# KiCad board PSEC5_Board.kicad_pcb (continued)
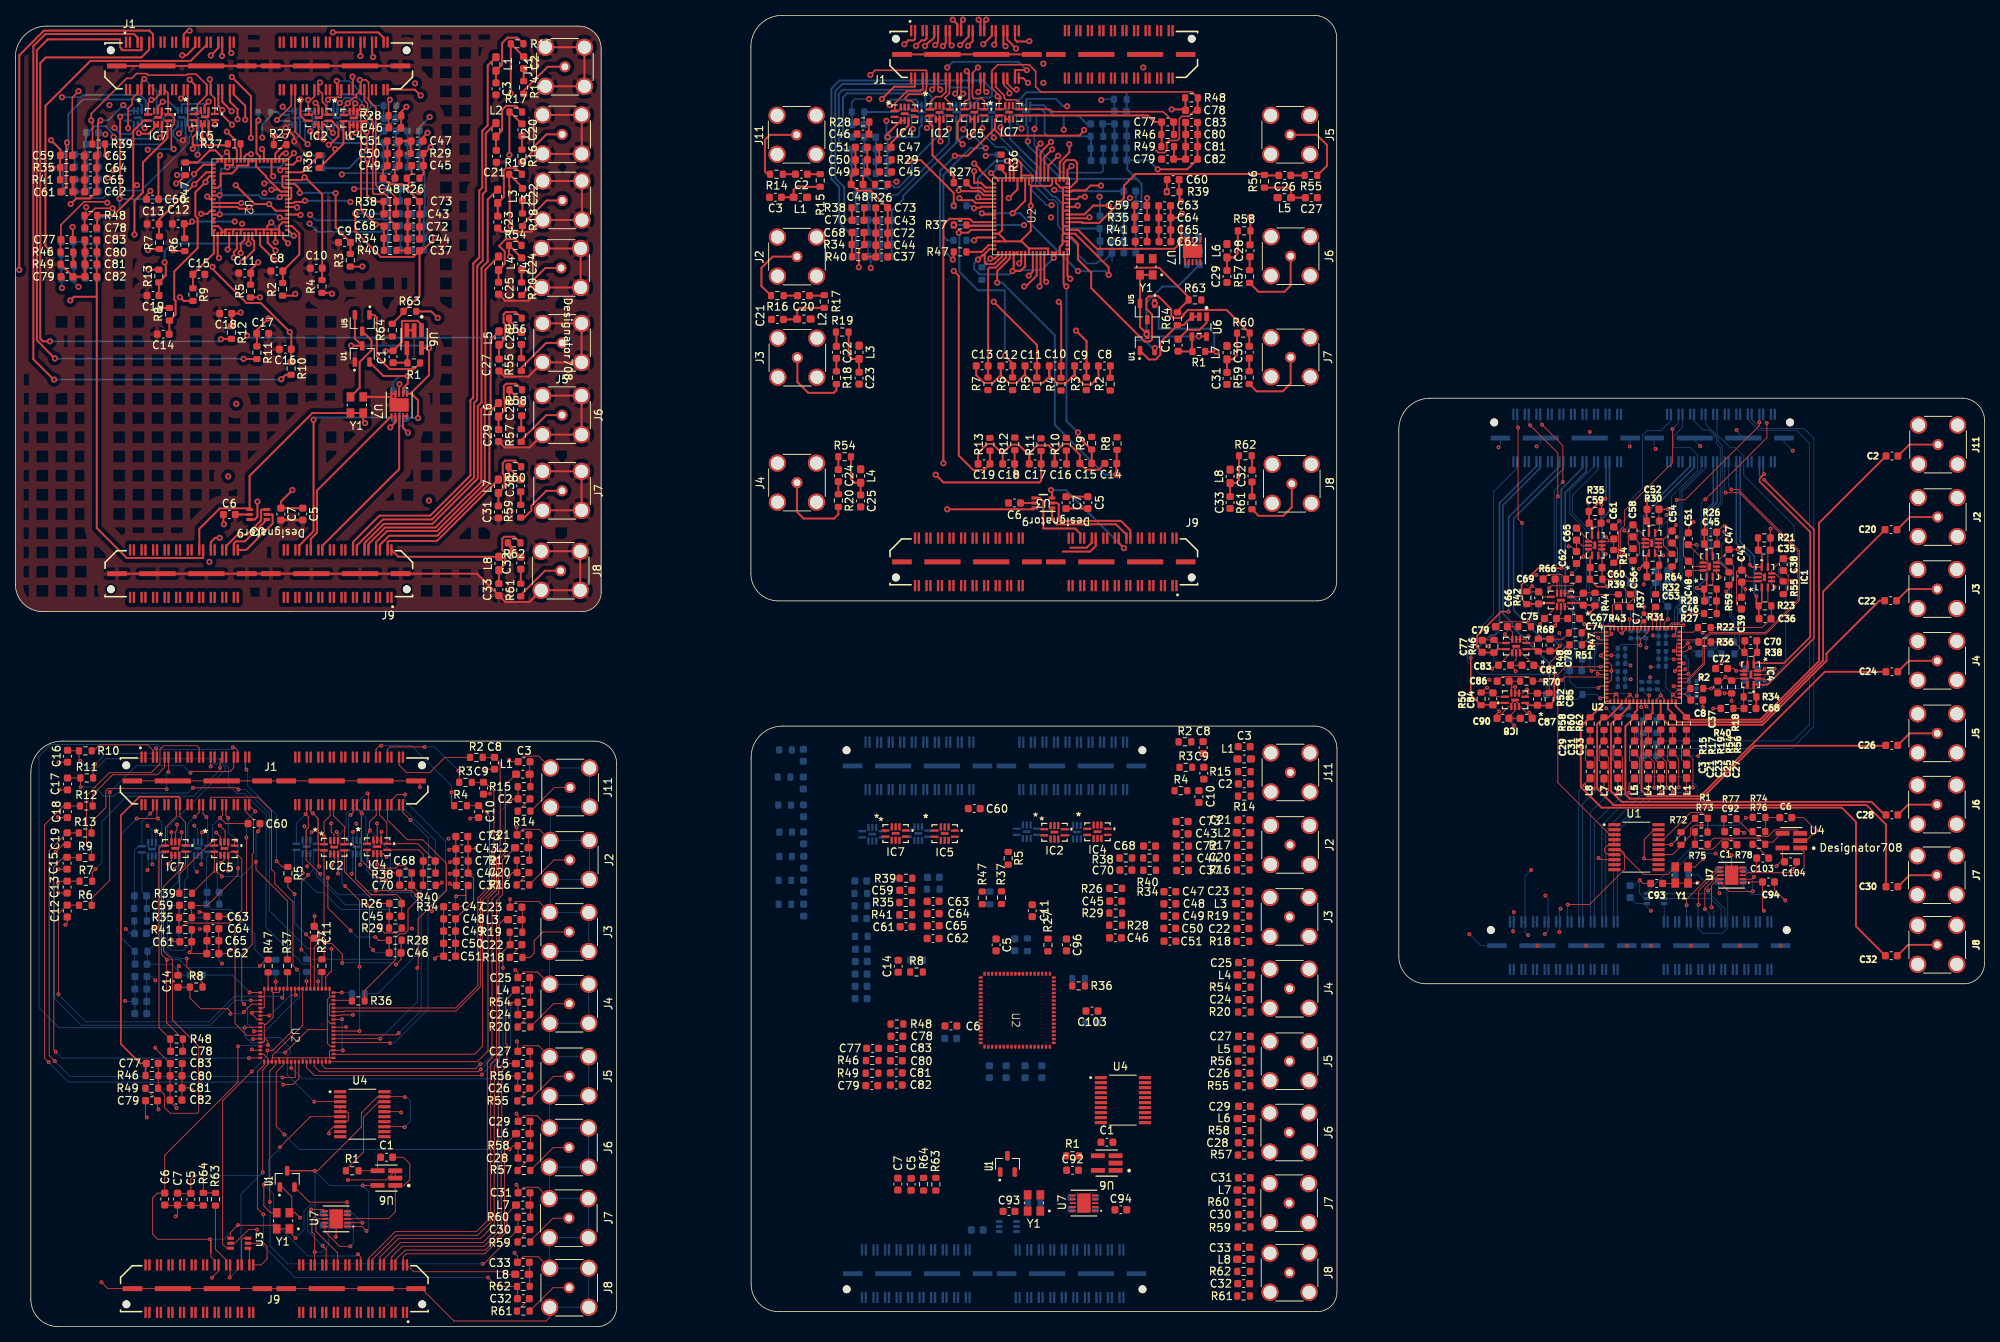
[diagram p0: board, top side]
## Routing (per net, layer and track width the routed paths; a pad name or vN(x,y) marks a point on that pad's centre or on a via; arc(x,y) is an arc through that point) (continued)
  In1.Cu w0.25: v2(43.4,154.77) 43.4,157.22 42.2,158.41 v2(42.2,159.26) ; v2(7.19,146.1) 6.71,145.62 6.71,142.8 7.14,142.37 v2(7.14,133.55) ; v2(24.31,154.47) 24.31,158.6 v2(25.14,159.42)
  In2.Cu w0.25: v2(25.14,159.42) 34.11,159.42 v2(34.77,158.77) ; v2(44.22,159.2) 44.45,159.42 47.84,159.42 49.84,157.42 v2(53.89,157.42) ; v2(11.07,156.97) 11.31,156.73 13.2,156.73 13.91,156.02 13.91,155.67 14.41,155.17 15.92,155.17 v2(16.06,155.31) ; v2(19.16,159.41) 18.35,158.6 14.41,158.6 v2(14.04,158.97) ; v2(24.31,154.47) 23.22,154.47 22.42,155.27 v2(21.29,155.27) ; v2(35.11,154.92) 35.64,154.92 36.99,156.28 38.66,156.28 39.14,155.8 v2(39.14,154.93) 39.47,155.25 40.36,155.25 40.97,154.63 43.26,154.63 v2(43.4,154.77)
  Bottom w0.1: v1(17.82,60.17) 17.77,60.22 IC8#2.4 IC8#2.3 ; 209.79,100.49 209.26,100.49 v1(209.24,100.51) ; 209.79,100.49 209.79,102.16 C58.2 ; 209.79,100.49 209.79,100.31 C56.2 ; 224.51,93.37 223.86,94.02 223.86,98.22 224.08,98.45 C41.2 224.56,99.72 v1(224.51,99.77) ; IC3#5.4 IC3#5.3 38.36,60.31 v1(37.95,59.9) ; IC3#5.9 37.86,64.84 v1(37.6,65.1) ; v1(197.16,59.42) 196.37,58.63 196.37,52.65 ; C74.2 C75.2 200.29,92 v1(200.29,91.22) ; C41#3.2 58.88,63.74 C42.2 59.32,59.02 59.63,58.72 59.63,55.45 C55#5.2 57.27,53.05 C58#2.2 ; v1(202.04,101.54) 202.39,101.54 C62#3.2 C65#5.2 ; C44#5.2 227.06,84.1 227.11,84.15 227.11,84.26 227.35,84.5 227.46,84.5 228.59,85.62 v1(228.84,85.62) 228.41,85.2 227.04,85.2 C43#5.2 ; v1(196.79,50.95) 196.37,51.36 196.37,52.65 ; 196.37,52.65 195.87,52.65 ; C90#2.2 17.08,45.54 C89#4.2 17.71,45.56 v1(18.2,45.07) ; v1(223.84,85.35) 223.54,85.65 C72#4.2 ; IC1#2.4 IC1#2.3 44.88,60.16 v1(44.85,60.12) ; v1(44.35,65.47) 44.42,65.4 44.42,63.31 IC1#2.9 ; IC8#2.9 17.77,64.62 v1(17.2,65.2) ; v1(59.95,62.3) 59.83,62.18 C43#4.2 ; v1(26.87,47.25) 26.49,47.63 C71#2.2 26.46,48.59 C74#2.2 26.48,53.4 ; IC6#3.4 IC6#3.3 24.24,60.24 v1(24.17,60.17) ; C88#2.2 C90.2 194.98,78.47 v1(194.98,78.2) ; C80#5.2 C83#4.2 194.47,85.97 v1(195.15,85.3) ; C48#4.2 216.99,100.26 216.99,102.69 C51#5.2 217.61,104.02 v1(218.29,104.7) ; IC6#3.9 23.74,64.73 v1(23.27,65.2)
  Bottom w0.25: v2(34.77,158.77) 35.34,158.2 IC3#3.3 IC3#3.4 ; IC3#3.9 36.53,155.69 36.24,155.4 35.59,155.4 v2(35.11,154.92) ; IC6#5.9 21.64,155.62 v2(21.29,155.27) ; C58#5.2 53.12,144.81 C55#2.2 53.24,144.97 53.24,150.27 C41#4.2 52.56,150.95 C42#3.2 52.56,156.09 v2(53.89,157.42) ; IC8#3.4 IC8#3.3 14.79,158.22 v2(14.04,158.97) 12.04,156.97 v2(11.07,156.97) ; IC8#3.9 15.92,155.45 v2(16.06,155.31) ; C74#3.2 10.81,152.55 C71#3.2 ; IC1#4.9 41.89,158.94 v2(42.2,159.26) 42.87,159.92 43.52,159.92 43.95,159.5 43.95,159.47 v2(44.22,159.2) ; v2(19.16,159.41) 20,159.41 IC6#5.3 IC6#5.4 21.64,159.03 21.73,159.12 24.84,159.12 v2(25.14,159.42) ; IC1#4.4 IC1#4.3 42.39,155.78 v2(43.4,154.77)
VDD50: length 0.5
  Bottom w0.1: 197.37,52.65 197.87,52.65
(no net): length 430.8
  Top w0.1: 220.64,57.15 v1(220.64,54.57) ; 220.64,57.15 220.64,57.43 221.46,58.25 U7#5.9 ; 220.64,57.15 220.24,56.75 v1(220.19,56.75) ; IC4#3.5 47.8,61.57 v1(48.27,61.1) ; C103#2.2 226.26,62.77 R78.1 ; v1(195.09,83.26) 195.05,83.22 194.58,83.22 ; U7#3.6 40.04,15.25 v1(38.46,15.25) ; 227.99,65.92 R74.1 ; R74.1 227.64,64.45 R76.2 ; R74.1 227.66,66.25 C6.1 ; 207.99,63.37 U1#2.5 207.22,62.72 206.69,62.2 206.69,61.87 207.14,61.42 U1#2.7 ; R14#3.1 C61#5.1 207.57,102.17 207.19,102.17 ; 194.58,83.22 IC8.5 ; 194.58,83.22 194.58,83.72 C86.1 R70.1 ; R68.1 C79#5.1 194.71,90.46 IC7#2.5 194.42,89.45 v1(193.75,90.12) ; C92.2 222.24,64.52 R77.1 ; R1.2 43.29,20.58 43.29,20.72 45.3,22.72 45.3,27.27 47.3,29.27 U4#3.18 ; v1(199.49,96.12) 199.79,96.42 200.54,96.42 ; 221.44,84.02 221.91,84.02 v1(222.44,84.55) 222.91,84.07 R18#2.1 223.36,84.07 223.64,84.35 IC4#2.5 ; C1#5.2 223.31,63.35 222,63.35 220.8,62.15 219.09,62.15 R75.2 R73.1 ; v1(44.55,9.42) 44.93,9.04 J9.18 ; IC7#5.5 21.3,60.18 v1(20.62,59.5) ; 214.33,102.46 214.37,102.42 214.37,101.68 R64#4.1 ; 214.33,102.46 214.41,102.46 C54.1 215.49,103.8 v1(216.01,104.32) ; 214.33,102.46 214.32,102.47 IC3.5 ; U7#5.6 221.51,59.75 217.39,55.62 v1(217.39,54.85) ; 58.6,56.1 58.6,57.12 C37#4.1 ; 58.6,56.1 57.42,56.1 v1(57.32,56) ; 58.6,56.1 58.6,55.26 57.99,54.65 C47#3.1 ; 223.99,101.14 C47#5.1 222.89,101.05 IC2#2.5 221.82,99.42 222.89,98.36 R59#3.1 ; R66.1 202.49,96.42 200.54,96.42 ; IC6.5 200.54,96.42 ; 200.54,96.42 200.54,97 C69.1 ; v1(17.1,27.22) 16.93,27.39 C79#2.1 ; C61.1 20.57,50.1 v1(20.35,50.32) ; v1(27.65,59.35) 27.69,59.39 IC5#2.5 ; R63#3.2 26.02,17.41 R64#2.1 24.44,20.93 v1(24.42,20.95) ; 207.19,102.17 207.19,102.46 v1(206.91,102.74) ; 207.19,102.17 IC5#3.5 ; U4#3.6 38.37,27.32 v1(34.42,23.37) ; U4#3.4 U4#3.5 43.1,27.97 43.29,27.78 43.29,26.82 43.14,26.67 U4#3.7 ; v1(219.34,65.25) 218.36,65.25 217.91,64.8 217.91,63.95 R72.2 216.66,62.52 215.56,61.42 U1#2.14 ; U4.3 231.71,64.65 228.82,64.65 227.96,63.8 226.59,63.8 R76.1 225.56,64.42 R77.2 ; 41.9,61.44 IC2#3.5 41.97,58.98 v1(41.97,58.97) ; Y1#3.3 33.2,14.82 32.32,15.7 v1(32.32,18.5) ; R55#5.1 228.91,98.02 IC1.5 228.44,98.42 C38.1 v1(230.96,99.95) ; J9.30 40.43,10.05 v1(39.96,10.52) ; 225.99,66.27 225.14,66.27 v1(225.09,66.22) ; v1(201.94,54.92) 204.73,54.92 209.29,59.48 209.29,61.59 208.81,62.07 U1#2.6 208.57,62.07 211.8,58.85 214.94,58.85 Y1#4.3 ; 213.73,63.37 214.37,63.37 217.92,66.92 219.36,66.92 R1#2.2 220.14,64.4 R73.2 ; U4.4 229.74,64.2 228.59,63.05 227.89,63.05 R78.2 226.81,63.57 220.91,63.57 R75.1
  Top w0.25: J9#2.30 38.42,102.52 39.24,103.34 39.24,108.81 U7#4.6 ; R64.1 50.48,131.96 R63.2 51.86,133.5 51.99,133.5 51.99,133.57 52.58,134.16 C37#3.1 ; v2(6.71,154.1) 6.63,154.02 6.63,148.41 C61#3.1 ; v2(53.61,155.37) 53.04,154.8 C47#2.1 ; v2(18.79,154.72) 19.05,154.98 IC7#3.5 ; 47.9,161.56 J1#3.78 ; C37#3.1 52.93,140.02 v2(54.61,141.7) ; C37#3.1 51.78,139.22 47.52,139.22 44.21,142.52 v2(44.21,144.85) ; IC4#4.5 44.49,155.59 v2(44.24,155.35) ; IC5#5.5 25.12,155.16 v2(25.21,155.07) ; v2(40.06,154.52) 39.93,154.66 IC2#4.5 40.21,156.45 v2(41.3,155.36)
  In1.Cu w0.25: v2(53.61,155.37) 54.74,154.25 54.74,141.82 v2(54.61,141.7)
  In2.Cu w0.25: v2(53.61,155.37) 52.96,154.72 44.86,154.72 v2(44.24,155.35) 44.09,155.49 41.43,155.49 v2(41.3,155.36) 39.93,156.73 34.88,156.73 34.15,156 30.91,156 29.71,154.8 25.49,154.8 v2(25.21,155.07) 23.71,156.57 20.64,156.57 v2(18.79,154.72) 18.16,154.1 v2(6.71,154.1)
  Bottom w0.1: v1(39.96,10.52) 38.01,12.47 38.01,14.92 38.34,15.25 v1(38.46,15.25) ; 220.87,52.65 220.87,54.34 v1(220.64,54.57) ; v1(23.62,59.2) 23.24,59.58 IC6#3.5 ; R69.2 194.1,90.47 v1(193.75,90.12) ; v1(220.19,56.75) 220.19,57.47 218.86,58.8 R65#2.2 ; R71.2 195.09,83.26 v1(195.09,83.26) ; v1(222.44,84.55) 222.76,84.55 R18#2.1 ; v1(216.01,104.32) 215.49,103.8 R63#5.2 ; C69#3.1 20.4,54.83 v1(20.15,54.57) ; C86#4.1 17.73,51.85 v1(17.95,51.85) ; R16#5.2 207.19,102.46 v1(206.91,102.74) ; v1(219.34,65.25) 224.11,65.25 v1(225.09,66.22) ; v1(199.49,96.12) 200.32,96.95 R67.2 ; R57#5.2 230.91,100 v1(230.96,99.95) ; R61#5.2 223.99,101.19 ; v1(17.2,59.42) 17.27,59.5 IC8#2.5 ; v1(57.32,56) 57.26,55.93 C54#5.1 58.04,54.65 58.6,55.21 58.6,57.08 C38#4.1 ; IC1#2.5 43.88,59.07 v1(43.76,58.95) ; v1(217.39,54.85) 217.37,54.83 217.37,52.65 ; IC3#5.5 37.36,59.06 v1(37.37,59.05) ; v1(201.94,54.92) 201.87,54.85 201.87,52.65 ; v1(34.42,23.37) 34.42,23.25 32.92,21.75 32.92,19.1 v1(32.32,18.5) 33.6,17.22 33.6,13.67 38.07,9.2 44.32,9.2 v1(44.55,9.42)
  Bottom w0.25: v2(40.06,154.52) 40.06,155.62 39.12,156.56 39.12,157.58 38.51,158.2 IC3#3.5 ; 6.89,154.1 6.89,153.28 C69#2.1 ; 6.89,154.1 6.89,157.79 8.8,159.7 15.69,159.7 16.42,158.96 IC8#3.5 ; 6.89,154.1 v2(6.71,154.1) ; v2(41.3,155.36) 41.39,155.45 IC1#4.5 ; IC6#5.5 23.78,158.27 25.21,156.84 v2(25.21,155.07) ; C54#4.1 44.22,144.84 v2(44.21,144.85) ; C38#3.1 47.08,154.72 44.86,154.72 v2(44.24,155.35)
  vias: v1(224.01,101.16)
/ADC_Buffer2/ADC4_In: length 15.7
  Top w0.1: U2#3.30 v1(37.87,44.94) ; R31.2 212.96,93.27 U2#5.30
  Top w0.25: v2(124.69,145.53) 124.83,145.53 124.91,145.62 125.51,145.62 125.63,145.74 U2.30 ; U2#4.30 31.81,152.27 31.36,152.72 31.36,156.72 v2(31.61,156.97)
  Bottom w0.1: v1(37.87,44.94) R31#3.2
  Bottom w0.25: R31#5.2 124.36,145.87 v2(124.69,145.53) ; R31#2.2 31.61,158 v2(31.61,156.97)
/ADC_Buffer2/ADC5_In: length 11
  Top w0.1: U2#3.25 35.37,46.12 R37#2.2 ; R37#5.2 210.46,93.25 U2#5.25
  Top w0.25: U2.25 123.84,143.24 R37.2 ; U2#4.25 29.31,153.9 R37#4.2
/ADC_Buffer2/V_OCM: length 51.5
  Top w0.25: 145.6,137.81 148.77,137.81 152.61,133.97 R63#2.2 151.14,132.15 R64#5.1 ; C61#4.1 145.66,140.72
  Bottom w0.25: IC3#4.5 123.71,158.96 124.12,159.37 124.12,161.05 123.92,161.25 121.68,161.25 121.21,161.72 107.57,161.72 106.64,160.79 106.64,149.46 107.81,148.29 107.81,144.23 108.02,144.03 C54#3.1
/ADC_Buffer3/ADC6_In: length 16.1
  Top w0.1: U2#5.22 208.96,93.2 R43.2 208.52,93.63 ; U2#3.22 33.87,44.87 v1(33.85,44.89)
  Top w0.25: v2(124.71,141.37) 125.08,141.74 U2.22 ; U2#4.22 27.81,152.54 v2(27.5,152.85)
  Bottom w0.1: R43#3.2 33.85,46.08 v1(33.85,44.89)
  Bottom w0.25: v2(124.71,141.37) 124.21,141.37 ; 22.19,151.27 R43#4.2 26.15,151.5 v2(27.5,152.85)
/ADC_Buffer3/ADC7_In: length 16.9
  Top w0.1: R47.2 204.71,91.27 207.91,91.27 207.96,91.22 U2#5.20 ; R47#4.2 32.87,46.09 U2#3.20
  Top w0.25: U2.20 126.58,140.74 125.71,139.87 124.21,139.87 ; U2#4.20 26.81,152.27 26.01,153.07 25.28,153.07 23.71,151.5 R47#2.2
/ADC_Buffer3/ADC8_In: length 20.8
  Top w0.1: R51.2 205.44,90.37 U2#5.18 ; 30.44,43.49 30.46,43.47 30.57,43.47 ; 30.57,43.47 30.55,43.5 v1(30.46,43.5) ; 30.57,43.47 U2#3.18
  Top w0.25: U2.18 127.85,139.42 127.42,139 v2(126.81,139) ; 23.26,149.97 v2(23.24,150) 24.46,151.22 U2#4.18
  Bottom w0.1: 24.4,45.75 24.37,45.72 ; R51#4.2 28.21,45.75 v1(30.46,43.5)
  Bottom w0.25: v2(126.81,139) 125.71,137.9 R51#3.2 ; R51#5.2 23.24,149.65 v2(23.24,150)
/ADC_Buffer3/V_OCM: length 24.4
  In1.Cu w0.25: v2(141.02,147.05) 140.35,147.05 136.36,151.04 v2(136.36,155.76)
  Bottom w0.25: C86#3.1 139.36,156.52 138.29,157.59 136.36,157.59 ; IC6#2.5 127.53,158.98 ; 136.41,155.71 v2(136.36,155.76) 136.36,157.59 ; IC8#4.5 133.71,158.97 135.09,157.59 136.36,157.59 ; v2(141.02,147.05) 141.09,146.98 C69#5.1
/ADC_Buffer/ADC1_In: length 12
  Top w0.1: R36#5.2 218.64,89.37 U2#5.39 ; R36#4.2 43.7,42.47 U2#3.39
  Top w0.25: U2.39 128.85,149.97 128.21,150.61 R36#3.2 ; U2#4.39 37.3,150.22 R36.2
/ADC_Buffer/ADC2_In: length 12.7
  Top w0.1: v1(42.44,43.48) 42.43,43.47 U2#3.37 ; 218.87,90.97 218.27,90.37 U2#5.37
  Top w0.25: v2(126.91,150.12) 127.8,149.24 U2.37 ; U2#4.37 36.14,151.22 v2(36.89,151.97)
  Bottom w0.1: v1(42.44,43.48) 43.64,43.48 R22#5.2
  Bottom w0.25: v2(126.91,150.12) 127.1,150.12 R22#2.2 ; v2(36.89,151.97) 37.34,152.42 R22#3.2
/ADC_Buffer/ADC3_In: length 14.8
  Top w0.1: U2#5.34 214.96,91.07 215.46,91.57 216.44,91.57 217.66,92.8 R27#3.2 ; U2#3.34 R27#2.2
  Top w0.25: R27#4.2 124.37,148.21 125.63,148.21 126.1,147.74 U2.34 ; R27#5.2 34.96,153.82 33.81,152.67 U2#4.34
/ADC_Buffer/V_OCM: length 22.8
  Top w0.25: IC4.5 116.17,156.31 113.92,154.06 C47#4.1
  Bottom w0.25: C38#2.1 107.96,154.8 107.66,155.1 107.66,159.98 108.18,160.49 117.86,160.49 118.38,159.98 IC1#5.5
/Biases,Thresh/discbias_postrc: length 130.9
  Top w0.1: v1(5.12,34.55) 4.4,35.27 4.4,61.93 C19#3.1 6.76,64.24 R13#2.1 ; v1(211.49,80.62) 211.46,80.65 U2#5.64 ; v1(34.75,32.42) 36.4,32.42 36.4,34.45 U2#3.64
  Top w0.25: v2(122.06,137.39) 122.71,136.74 122.71,113.37 124.6,111.48 125.97,111.48 C19.1 126.77,113.98 R13.1 ; v2(139.71,144.37) 139.58,144.24 U2.64 ; C19#2.1 18.66,134.2 R13#3.1 19.56,136.8 19.56,138.35 v2(19.41,138.5) ; U2#4.64 30.31,140.97 v2(30.34,140.95)
  In1.Cu w0.25: v2(139.71,144.37) v2(134.71,144.37)
  Bottom w0.1: C19#5.1 211.16,76.5 211.16,78.3 R13#5.1 211.79,80.32 v1(211.49,80.62) ; v1(5.12,34.55) 7.12,32.55 34.62,32.55 v1(34.75,32.42)
  Bottom w0.25: v2(30.34,140.95) 20.36,140.95 19.41,140 v2(19.41,138.5)
/Biases,Thresh/discthresh1_postrc: length 79.1
  Top w0.1: R2#2.1 62.31,74.08 C8#5.1 63.05,73.37 63.05,62.7 62.27,61.93 62.27,56.95 60.77,55.45 60.77,36.5 59.72,35.45 41.4,35.45 U2#3.53 ; 217.94,81.55 217.21,82.27 217.21,82.35 ; U2#5.53 216.49,82.37 216.51,82.35 217.21,82.35 ; 217.21,82.35 217.89,83.02 R2#3.1
  Top w0.25: R2.1 142.41,125 C8#2.1 ; U2#4.53 35.99,143.22 36.94,142.27 36.94,139.52 C8#4.1 34.79,135.85 R2#5.1 ; v2(137.09,153.87) 137.09,152.79 135.85,151.55 U2.53
/Biases,Thresh/discthresh2_postrc: length 103
  Top w0.1: v1(217.81,88.37) 217.31,87.87 U2#5.42 ; U2#3.42 42.67,40.97 42.77,41.07 57.3,41.07 60.47,44.25 60.47,55.65 61.97,57.15 61.97,62.05 62.25,62.33 62.25,69.67 61.07,70.85 C9#4.1 60.88,70.83 R3#4.1
  Top w0.25: v2(36.99,147.55) 36.99,148.05 36.31,148.72 U2#4.42 ; R3.1 139.31,125 C9#3.1 139.33,128.24 v2(137.96,129.62) ; v2(129.21,146.87) 130.35,148 U2.42 ; R3#3.1 43.59,139.62 C9#2.1 41.66,143.02 v2(41.66,147.52)
  In2.Cu w0.25: 208.72,146.31 208.49,146.08 208.49,141.78 214.3,135.97 214.3,132.22 217.47,129.06
  Bottom w0.1: R3#5.1 221.29,88.2 219.59,88.2 C9#5.1 218.64,87.9 218.29,87.9 v1(217.81,88.37)
  Bottom w0.25: v2(41.66,147.52) 41.64,147.55 v2(36.99,147.55)
/Biases,Thresh/discthresh3_postrc: length 101.3
  Top w0.1: U2#3.41 57.27,41.47 60.16,44.36 60.16,55.79 61.67,57.3 61.67,66.38 C10#3.1 60.25,67.79 R4#2.1 ; U2#5.41 216.96,88.37 v1(217.54,88.95)
  Top w0.25: v2(135.71,133.37) 136.03,133.05 C10.1 136.01,125 R4#3.1 ; U2.41 129.85,150.88 v2(130.07,151.11) ; U2#4.41 37.27,149.22 v2(37.61,149.57) 37.69,149.57 39.91,147.35 C10#2.1 39.89,137.72 R4#4.1
  In2.Cu w0.25: 215.22,132.81 215.22,136.87 209.98,142.1 209.98,145.54 209.58,145.95 209.58,150.55
  Bottom w0.1: v1(217.54,88.95) 217.69,89.1 C10#5.1 219.59,88.47 221.31,88.47 R4#5.1
/Biases,Thresh/discthresh4_postrc: length 74.9
  Top w0.1: R5#3.1 35.45,57.17 v1(36.32,56.3) ; U2#3.31 38.37,50.05 C11#2.1 38.32,50.55 v1(37.82,51.05) ; v1(213.46,92.02) U2#5.31
  Top w0.25: v2(127.26,133.37) 132.88,127.74 C11.1 132.86,125 R5#2.1 ; U2.31 124.87,146.24 124.51,146.59 123.06,146.59 v2(122.79,146.87) ; R5.1 30.61,135.62 C11#3.1 30.61,137.52 v2(31.59,138.5) ; U2#4.31 32.31,153.02 v2(32.09,153.25)
  In1.Cu w0.25: v2(122.79,146.87) 123.44,146.22 123.44,138.64 127.26,134.82 v2(127.26,133.37) ; v2(32.09,153.25) 31.64,152.8 31.64,138.55 v2(31.59,138.5)
  Bottom w0.1: v1(37.82,51.05) 36.32,52.55 v1(36.32,56.3) ; v1(213.46,92.02) 213.36,92.12 R5#5.1 212.74,94.3 212.74,96.2 C11#5.1
/Biases,Thresh/discthresh5_postrc: length 107.8
  Top w0.1: v1(5.6,43.25) 5.6,53.71 C12#2.1 8.24,54.86 R6.1 ; U2#5.24 v1(209.96,92.05) ; v1(34.72,42.8) 34.87,42.95 U2#3.24
  Top w0.25: v2(22.99,143.82) 22.69,143.52 C12#3.1 21.96,141.7 R6#2.1 ; U2#4.24 28.81,153.17 28.56,153.42 28.56,154.46 v2(27.5,155.52) ; v2(128.71,126.37) 129.73,125.34 C12.1 129.71,125 R6#3.1 ; v2(122.71,142.37) 123.93,142.37 124.3,142.74 U2.24
  In1.Cu w0.25: v2(27.5,155.52) 27.84,155.19 27.84,153.54 28.23,153.15 28.23,152.55 28.19,152.5 28.19,151.29 28.3,151.18 28.3,150.58 27.88,150.15 27.82,150.15 27.54,149.87 27.54,147.93 28.54,146.93 v2(28.54,143.82)
  Bottom w0.1: C12#5.1 209.44,96.17 209.44,94.27 R6#4.1 210.06,92.15 v1(209.96,92.05) ; v1(5.6,43.25) 5.6,43.22 9.15,39.67 25.17,39.67 28.5,43 34.52,43 v1(34.72,42.8)
  Bottom w0.25: v2(28.54,143.82) v2(22.99,143.82) ; v2(128.71,126.37) 128.71,134.87 125.21,134.87 122.79,137.29 122.79,142.29 v2(122.71,142.37)
/Biases,Thresh/discthresh6_postrc: length 82.4
  Top w0.1: v1(30.62,42.47) U2#3.16 ; R7.1 8.33,57.98 C13#2.1 5.75,57.98 v1(5.55,57.77) ; v1(205.89,89.65) 206.16,89.37 U2#5.16
  Top w0.25: U2.16 128.85,139.15 127.52,137.82 126.71,137.82 126.53,137.65 C13.1 126.51,125 R7#3.1 ; R7#2.1 18.69,141.93 C13#3.1 18.69,144.07 v2(23.27,148.66) 24.84,150.22 U2#4.16
  Bottom w0.1: v1(5.55,57.77) 5.07,57.3 5.07,42.72 8.57,39.22 25.3,39.22 28.55,42.47 v1(30.62,42.47) ; v1(205.89,89.65) 205.24,90.3 R7#5.1 C13#4.1
/Biases,Thresh/discthresh7_postrc: length 83.8
  Top w0.1: C14#4.1 22.67,44.17 R8.1 22.7,42.77 24.1,41.37 27.62,41.37 27.97,41.02 v1(27.97,40.72) ; v1(29.7,40.95) 30.72,41.97 U2#3.15 ; v1(205.01,88.7) 205.19,88.87 U2#5.15
  Top w0.25: U2.15 129.35,139 127.71,137.37 v2(127.71,135.87) ; U2#4.15 25.26,149.72 24.74,149.2 v2(24.74,148.95) 23.41,147.62 23.41,144.52 23.71,144.22 23.71,140.37 20.66,137.32 20.66,133.65 20.84,133.47 20.84,131.72 R8#2.1 20.04,129.19 C14.1 ; R8#3.1 143.26,114.06 C14#3.1 143.21,112.28 v2(143.21,110.87)
  Bottom w0.1: v1(205.01,88.7) 203.79,87.47 R8#5.1 203.79,85.42 C14#5.1 ; v1(29.7,40.95) 29.47,40.72 v1(27.97,40.72)
  Bottom w0.25: v2(143.21,110.87) 141.71,110.87 135.21,117.37 135.21,129 128.35,135.87 v2(127.71,135.87)
/Biases,Thresh/discthresh8_postrc: length 99.7
  Top w0.1: U2#5.1 206.26,81.87 v1(206.16,81.77) ; v1(30.37,34.95) 30.4,34.97 U2#3.1 ; R9#2.1 6.75,61.06 C15#3.1 6.25,61.09 5,59.84 5,36.02 v1(5.25,35.77)
  Top w0.25: U2.1 136.35,135.73 v2(136.71,135.37) ; C15#2.1 140.01,114.13 R9.1 139.93,114.14 138.21,115.87 v2(138.21,116.37) ; R9#3.1 23.1,136.93 C15.1 25.81,139.67 U2#4.1
  Bottom w0.1: v1(206.16,81.77) 205.66,82.27 R9#5.1 203.21,81.65 201.31,81.65 C15#4.1 ; v1(5.25,35.77) 6.07,34.95 v1(30.37,34.95)
  Bottom w0.25: v2(136.71,135.37) 136.71,117.87 v2(138.21,116.37)
/Biases,Thresh/readbias1_postrc: length 110.6
  Top w0.1: C16.1 6.86,74.93 R10.1 8.28,73.82 v1(8.45,73.65) ; v1(214.94,92.05) 214.46,91.57 U2#5.33 ; U2#3.33 v1(39.37,44.92)
  Top w0.25: U2.33 125.96,147.24 125.44,147.76 122.82,147.76 v2(122.71,147.87) ; C16#3.1 136.73,113.98 R10#3.1 ; U2#4.33 33.31,149.92 v2(33.53,149.71) ; v2(25.64,137.92) 25.64,137.65 30.06,133.22 31.91,133.22 35.69,129.45 v2(35.69,129.42) 35.89,129.22 C16#2.1 35.86,127.17 R10#2.1
  In2.Cu w0.25: v2(33.53,149.71) 35.11,148.13 35.11,146.7 33.88,145.48 33.43,145.48 33.05,145.09 30.81,145.09 30.26,144.55 28.24,144.55 25.41,141.72 25.41,138.15 v2(25.64,137.92)
  Bottom w0.1: v1(39.37,44.92) 39.37,46.13 38.34,47.17 37.41,47.17 32.6,51.98 32.6,66.57 29.77,69.4 28.82,69.4 27.7,70.52 27.7,72.79 26.59,73.9 11.79,73.9 10.59,72.7 9.39,72.7 v1(8.45,73.65) ; v1(214.94,92.05) C16#4.1 214.31,94.35 214.31,96.15 R10#4.1
/Biases,Thresh/readbias2_postrc: length 156.8
  Top w0.1: v1(8.5,70.22) 8.46,70.26 R11#3.1 6.79,71.4 C17#3.1 ; v1(216.96,91.27) 216.86,91.37 215.61,91.37 215.46,91.22 U2#5.35 ; v1(23.1,70.12) 28.8,70.12 v1(29.02,69.9) ; v1(41.12,49.17) 41.12,46.28 40.37,45.53 U2#3.35
  Top w0.25: v2(35.19,152.7) 34.74,152.7 34.31,152.27 U2#4.35 ; v2(32.91,131.2) 31.39,129.67 C17#2.1 31.41,129.22 R11#2.1 ; R11.1 133.43,113.93 C17.1 133.43,110.08 133.21,109.87 120.71,109.87 v2(119.71,110.87) ; U2.35 126.23,148.24 125.6,148.87 124.71,148.87 v2(124.71,150.37)
  In1.Cu w0.25: v2(32.91,131.2) 32.91,141.84 35.19,144.12 v2(35.19,152.7) ; v2(124.71,150.37) 124.19,150.37 119.71,145.89 v2(119.71,110.87)
  Bottom w0.1: v1(8.5,70.22) 10.31,70.22 11.49,69.05 12.85,69.05 13.25,69.45 22.42,69.45 v1(23.1,70.12) ; v1(29.02,69.9) 29.95,69.9 33.05,66.8 33.05,54.12 38,49.17 v1(41.12,49.17) ; v1(216.96,91.27) 216.81,91.42 C17#4.1 216.91,93.15 R11#4.1
/Biases,Thresh/wbufbias_postrc: length 102.8
  Top w0.1: R12.1 6.8,67.75 C18#2.1 6.28,67.79 3.8,65.3 3.8,34.95 v1(4.32,34.42) ; v1(34.85,31.5) 36.07,31.5 36.87,32.3 U2#3.63 ; U2#5.63 211.96,80.9 v1(212.16,80.7)
  Top w0.25: v2(29.51,138.57) 31.06,140.12 31.06,141.25 30.81,141.5 U2#4.63 ; U2.63 139.06,144.74 140.22,145.9 v2(142.21,145.9) ; R12#3.1 28.14,130.24 C18#3.1 29.19,131.85 v2(29.31,131.97) ; v2(130.21,110.87) 129.97,111.1 C18.1 129.97,114.03 R12#2.1
  In1.Cu w0.25: v2(29.51,138.57) 29.31,138.37 v2(29.31,131.97)
  Bottom w0.1: 213.51,75.82 212.89,76.45 212.89,78.3 R12#5.1 213.51,79.35 v1(212.16,80.7) ; v1(34.85,31.5) 34.52,31.82 6.92,31.82 v1(4.32,34.42)
/Pedestals/SIGNAL1: length 171.5
  Top w0.1: v1(64.37,68.32) 64.73,68.68 C2#4.1 65.39,70.22 R15#2.2 ; v1(63.1,62.05) 63.1,61.48 62.57,60.96 62.57,56.82 61.47,55.72 61.47,35.85 61.46,35.85 60.08,34.47 U2#3.55 ; U2#5.55 216.04,81.37
  Top w0.232: C2#5.1 234.61,104.59 234.61,86.62 226.99,79 ; 217.65,79.06 215.96,80.75 U2#5.55 ; 217.66,78.99 226.95,78.99
  Top w0.25: U2.55 136.85,150.51 v2(137.38,151.04) ; v2(35.46,140.97) 34.81,141.62 U2#4.55 ; C2#3.1 R15#4.2 v2(64.44,160.47) ; C2.1 104.68,149.97 R15#5.2
  In2.Cu w0.25: v2(64.44,160.47) 64.39,160.42 64.39,153.2 63.96,153.2 63.09,152.32 63.09,144.55 59.51,140.97 v2(35.46,140.97)
  Bottom w0.1: v1(64.37,68.32) 63.1,67.05 v1(63.1,62.05)
/Pedestals/SIGNAL2: length 152.6
  Top w0.1: v1(60.5,34.18) 59.89,33.57 40.37,33.57 39.87,34.07 U2#3.57 ; R17#3.2 65.26,60.64 C20#2.1 64.69,59.09 v1(64.12,58.52)
  Top w0.232: 216.16,78.65 227.09,78.65 ; C20#4.1 235.14,95.66 235.14,86.68 227.12,78.66 ; U2#5.57 214.96,80.4 215.56,79.8 215.56,79.32 216.16,78.72
  Top w0.25: v2(33.86,141.12) 33.81,141.17 U2#4.57 ; C20#3.1 64.34,158.07 R17#5.2 v2(64.26,152.47) ; C20#5.1 105.15,134.17 R17#4.2 ; U2.57 137.35,147.74 137.48,147.87 139.21,147.87 139.84,148.5 v2(141.21,148.5)
  In2.Cu w0.25: v2(64.26,152.47) 63.54,151.75 63.54,143.57 60.21,140.25 34.74,140.25 v2(33.86,141.12)
  Bottom w0.1: v1(64.12,58.52) 62.92,57.32 62.92,36.6 63.08,36.45 60.81,34.18 v1(60.5,34.18)
/Pedestals/SIGNAL3: length 129.9
  Top w0.1: R19#2.2 64.35,51.27 C22#4.1 63.42,48.78 v1(63.42,46.67) ; U2#3.59 38.87,33.9 39.6,33.17 60.23,33.17 v1(60.54,33.48)
  Top w0.232: U2#5.59 214.01,81.32 R19.2 214.97,78.39 ; 227.26,78.33 235.59,86.66 235.59,87.6 242.47,94.48 C22.1 ; 214.97,78.32 227.22,78.32
  Top w0.25: v2(33.84,140.05) 32.81,141.07 U2#4.59 ; U2.59 138.08,146.74 138.39,147.05 v2(139.11,147.05) ; v2(64.41,143.22) 64.29,143.35 64.29,148.42 64.24,148.47 R19#5.2 65.96,148.25 C22#3.1 ; C22#5.1 106.8,129.37 R19#4.2
  In1.Cu w0.25: 64.29,143.35 v2(64.41,143.22)
  In2.Cu w0.25: v2(33.84,140.05) 34.66,139.22 44.73,139.22 45.18,139.67 60.86,139.67 v2(64.41,143.22)
  Bottom w0.1: v1(60.54,33.48) 63.42,36.37 v1(63.42,46.67)
/Pedestals/SIGNAL4: length 130.4
  Top w0.1: v1(60.67,32.8) 60.55,32.67 38.92,32.67 37.87,33.72 U2#3.61 ; C24#2.1 65.37,42.18 R54#3.2 64.62,42.22 v1(64.42,42.02)
  Top w0.232: U2#5.61 212.96,79.9 R54#5.2 211.52,78.46 211.52,69.8 212.28,69.05 219.19,69.05 235.36,85.22 C24#3.1
  Top w0.25: C24#4.1 107.05,113.19 107.04,113.2 ; v2(33.79,138.77) 31.81,140.75 U2#4.61 ; C24#5.1 64.22,140.71 R54.2 64.2,139.4 v2(64.37,139.22) ; U2.61 138.03,145.74 v2(138.19,145.9)
  In2.Cu w0.25: v2(64.37,139.22) 45.36,139.22 44.91,138.77 v2(33.79,138.77)
  Bottom w0.1: v1(64.42,42.02) 64.42,36.55 v1(60.67,32.8)
/Pedestals/SIGNAL5: length 166.7
  Top w0.1: U2#3.65 v1(35.87,33.65) ; v1(64.15,32.6) 64.17,32.62 R56.2 65.35,32.59 C26#5.1
  Top w0.232: 243.29,75.65 243.24,75.6 226.21,75.6 219.32,68.71 209.98,68.71 209.42,69.28 209.42,78.11 210.64,79.32 210.64,79.92 210.96,80.25 U2#5.65
  Top w0.25: C26#3.1 64.22,130.96 R56#5.2 64.22,129.69 v2(64.44,129.47) ; 145.71,150.01 144.21,148.51 144.21,146.87 140.98,143.64 138.81,143.64 138.71,143.74 U2.65 ; 145.71,150.01 145.59,150.01 ; 145.71,150.01 162.35,150.01 162.54,149.82 C26#2.1 ; v2(29.31,139.72) 29.31,140.95 29.81,141.45 U2#4.65
  In1.Cu w0.25: v2(29.31,139.72) 29.39,139.72 30.24,138.87 30.24,129.07 v2(30.14,128.97)
  Bottom w0.1: v1(35.87,33.65) 35.97,33.65 37.38,32.25 63.8,32.25 v1(64.15,32.6)
  Bottom w0.25: v2(64.44,129.47) 63.66,128.7 30.41,128.7 v2(30.14,128.97)
/Pedestals/SIGNAL6: length 177.5
  Top w0.1: C28#3.1 65.38,23.51 R58#5.2 64.75,23.55 v1(64.27,23.07) ; v1(35,25) 33.92,26.07 33.92,33.12 34.87,34.07 U2#3.67
  Top w0.232: C28#5.1 243.14,66.6 241.44,68.3 208.93,68.3 207.55,69.68 207.55,78.43 208.44,79.32 208.56,79.32 209.96,80.72 U2#5.67
  Top w0.25: U2#4.67 28.81,140.25 28.41,139.85 v2(28.41,139.12) ; v2(64.38,120.2) 64.26,120.31 R58#4.2 65.85,120.32 C28#4.1 ; U2.67 138.21,142.74 140.68,140.27 150.76,140.27 151.67,141.18 151.67,143.33 151.71,143.37 ; v2(160.59,144.37) 160.66,144.3 R58#2.2 160.59,142.54 C28#2.1
  In1.Cu w0.25: v2(28.41,139.12) 28.41,120.42 v2(28.74,120.1)
  In2.Cu w0.25: v2(28.74,120.1) 28.84,120.2 v2(64.38,120.2)
  Bottom w0.1: v1(35,25) 36.92,23.07 v1(64.27,23.07)
/Pedestals/SIGNAL7: length 237.9
  Top w0.1: v1(60.77,8.17) 60.92,8.17 C30#4.1 65.38,14.19 R60#2.2 ; v1(33.1,16.22) 33.1,33.3 33.87,34.07 U2#3.69
  Top w0.232: U2#5.69 208.96,81.04 207.22,79.3 R60#5.2 205.75,78.41 205.75,70.03 207.9,67.87 240.79,67.87 243.32,65.34 C30#5.1
  Top w0.25: C30.1 160.49,129.23 R60.2 157.53,132.32 152.53,132.32 151.94,131.73 151.94,131.58 151.64,131.28 150.65,131.28 150.34,131.58 150.34,132.42 148.66,134.11 147.45,134.11 147.11,133.77 147.11,132.46 147.85,131.71 147.85,128.48 147.58,128.2 146.89,128.2 139.94,135.15 139.94,137.14 138.21,138.87 138.21,140.92 137.4,141.74 U2.69 ; v2(64.39,110.12) 64.14,110.37 R60#3.2 64.14,111.78 C30#3.1 ; v2(27.61,140.17) 27.81,140.37 U2#4.69
  In1.Cu w0.25: v2(27.61,140.17) 27.66,140.12 27.66,110.67 v2(27.69,110.65)
  In2.Cu w0.25: v2(27.69,110.65) 63.86,110.65 v2(64.39,110.12)
  Bottom w0.1: v1(33.1,16.22) 33.12,16.2 33.12,10.5 35.45,8.17 v1(60.77,8.17)
